# Altium PCB Enigma Rev B.PcbDoc (part 4 of 8)
Units mm, origin at the board's own origin, x right, y up, seen from the top; angles counter-clockwise.
Board outline 239.08 x 138 mm, 6 copper layers (Component Side, Ground Plane (GND), Inner Layer 1, Inner Layer 2, Power Plane (VCC), Solder Side), stack 1.297 mm thick; 556 components, 648 nets, 2393 pads, 1101 vias.
Unrouted connection lines stored in the file: 43.
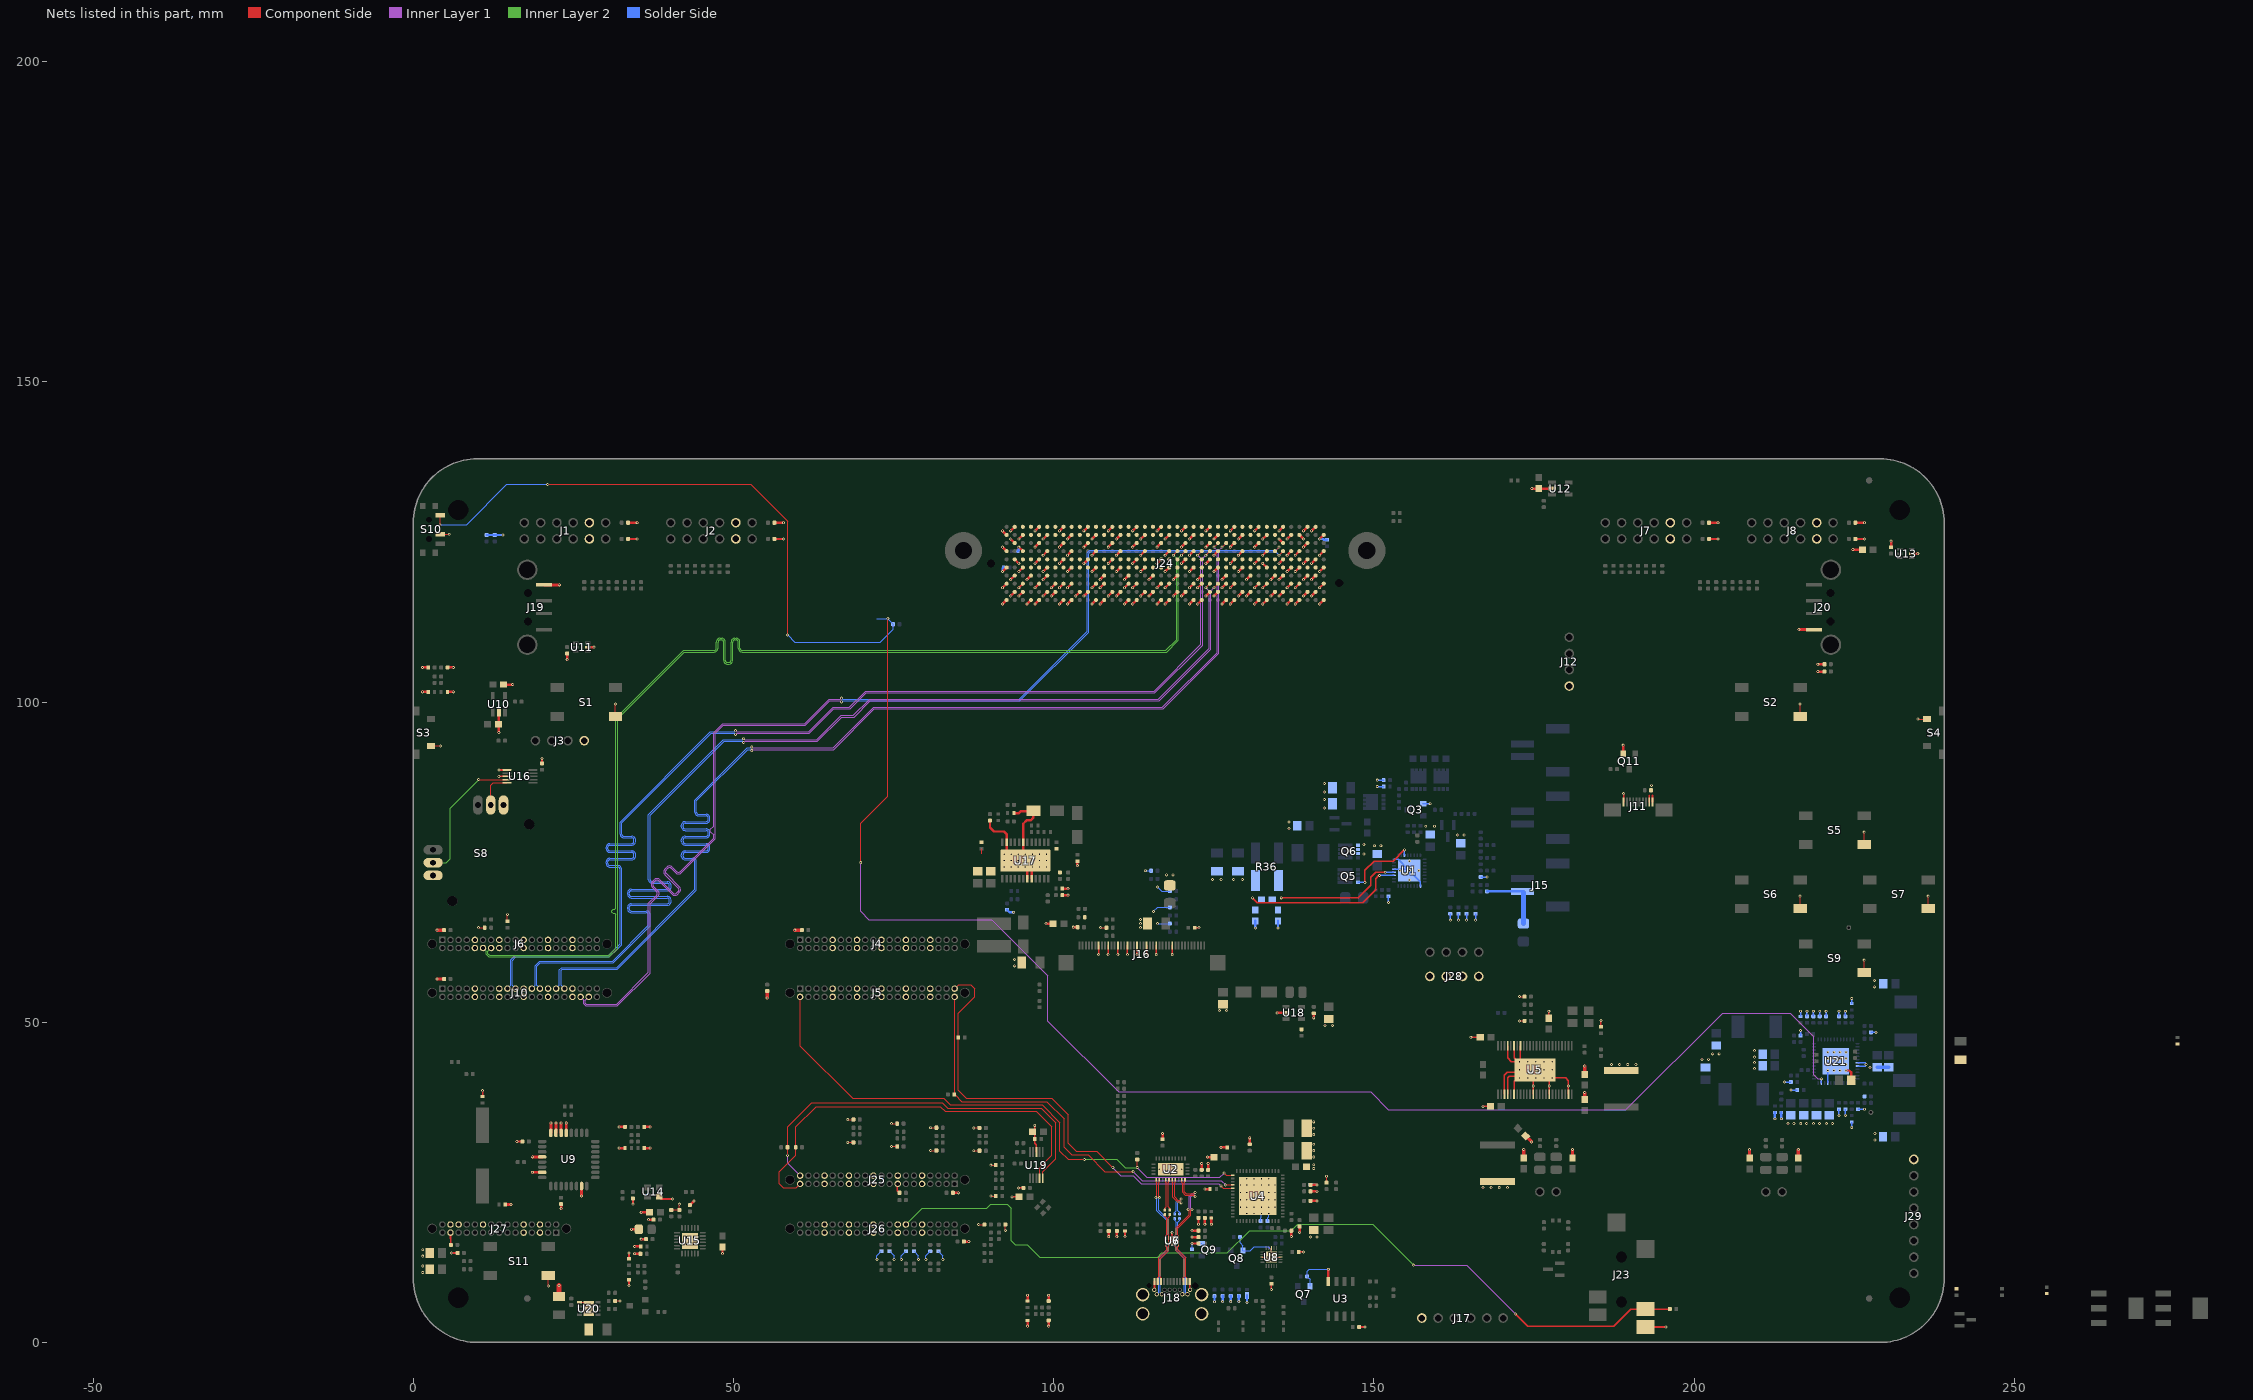
[diagram p8: the nets of this part, all layers, seen from the top]

## Via types
v1: diameter 0.457, hole 0.203, Component Side to Solder Side, tented top, 1031 vias
v2: diameter 0.5, hole 0.2, Component Side to Solder Side, 55 vias
v3: diameter 0.457, hole 0.203, Component Side to Solder Side, 9 vias
v4: diameter 0.5, hole 0.2, Component Side to Solder Side, tented both sides, 6 vias

## Nets (pads, with @x,y where several pads share a name; then routed paths per layer and width w, separated by ;. In a path a pad name is that pad's centre, name@x,y a point inside that pad or via, vN(x,y) a via of type N, cw(c..) or ccw(c..) an arc to the next point about the centre after c; other vN are vias at no path point) (continued)
GND: C1.1 C2.1 C3.1 C4.1 C5.1 C6.1 C7.1 C8.1 C9.1 C10.1 C11.1 C12.1 C13.1 C18.1 C19.1 C22.1 C23.1 C24.2 C26.1 C27.1 C28.1 C29.1 C30.1 C31.1 C32.1 C35.1 C36.2 C37.2 C40.2 C41.2 C42.1 C43.1 C44.1 C45.1 C46.1 C47.1 C48.1 C49.1 C50.1 C51.1 C52.1 C53.1 C54.1 C57.1 C62.1 C63.1 C64.1 C65.1 C66.1 C67.1 C68.1 C69.1 C70.1 C71.1 C72.1 C73.1 C74.1 C75.1 C76.1 C77.1 C78.1 C79.1 C80.1 C81.1 C82.1 C83.1 C84.1 C85.1 C86.1 C87.1 C89.1 C90.1 C93.1 C94.1 C99.1 C100.1 C101.1 C103.1 C104.1 C105.1 C106.1 C107.1 C108.1 C109.1 C110.1 C111.1 C112.1 C113.1 C114.1 C115.1 C116.1 C118.1 C119.1 C120.1 C121.1 C122.1 C124.2 C128.1 C129.1 C130.1 C131.1 C132.1 C133.1 C134.1 C135.1 C136.1 C137.1 C138.1 C139.1 C140.1 C141.1 C142.1 C143.1 C144.1 C146.1 C147.1 C148.1 C149.1 C150.1 C152.1 C153.1 C154.1 C155.1 C156.1 C158.1 C159.1 C160.1 C161.1 C162.1 C164.1 C165.1 C166.1 C167.1 C168.1 C169.1 C170.1 C171.1 C172.1 C173.1 C174.1 C180.1 C181.1 C182.1 C183.1 C184.1 C185.1 C186.1 C187.1 C188.1 C195.1 C196.1 C207.2 C209.1 C210.1 D4.2 D7.1 J1.5 J1.11 J2.5 J2.11 J3.1 J4.9 J4.10 J4.15 J4.16 J4.21 J4.22 J4.27 J4.28 J4.33 J4.34 J5.9 J5.10 J5.15 J5.16 J5.21 J5.22 J5.27 J5.28 J5.33 J5.34 J6.9 J6.10 J6.15 J6.16 J6.21 J6.22 J6.27 J6.28 J6.33 J6.34 J7.5 J7.11 J8.5 J8.11 J10.9 J10.10 J10.15 J10.16 J10.21 J10.22 J10.27 J10.28 J10.33 J10.34 J11.1 J11.9 J11.10 J12.1 J15.2 J16.7 J16.10 J16.13 J16.16 J16.19 J16.22 J16.25 J16.30 J17.1 J18.A1 J18.A12 J18.B1 J18.B12 J18.M1 J18.M2 J18.M3 J18.M4 J19.4 J20.4 J23.1 J24.A1 J24.A4 J24.A5 J24.A8 J24.A9 J24.A12 J24.A13 J24.A16 J24.A17 J24.A20 J24.A21 J24.A24 J24.A25 J24.A28 J24.A29 J24.A32 J24.A33 J24.A36 J24.A37 J24.A40 J24.B2 J24.B3 J24.B6 J24.B7 J24.B10 J24.B11 J24.B14 J24.B15 J24.B18 J24.B19 J24.B22 J24.B23 J24.B26 J24.B27 J24.B30 J24.B31 J24.B34 J24.B35 J24.B38 J24.B39 J24.C1 J24.C4 J24.C5 J24.C8 J24.C9 J24.C12 J24.C13 J24.C16 J24.C17 J24.C20 J24.C21 J24.C24 J24.C25 J24.C28 J24.C29 J24.C32 J24.C33 J24.C34 J24.C36 J24.C38 J24.C40 J24.D2 J24.D3 J24.D6 J24.D7 J24.D10 J24.D13 J24.D16 J24.D19 J24.D22 J24.D25 J24.D28 J24.D35 J24.D37 J24.D39 J24.E1 J24.E4 J24.E5 J24.E8 J24.E11 J24.E14 J24.E17 J24.E20 J24.E23 J24.E26 J24.E29 J24.E32 J24.E35 J24.E38 J24.E40 J24.F2 J24.F3 J24.F6 J24.F9 J24.F12 J24.F15 J24.F18 J24.F21 J24.F24 J24.F27 J24.F30 J24.F33 J24.F36 J24.F39 J24.G1 J24.G4 J24.G5 J24.G8 J24.G11 J24.G14 J24.G17 J24.G20 J24.G23 J24.G26 J24.G29 J24.G32 J24.G35 J24.G38 J24.G40 J24.H3 J24.H6 J24.H9 J24.H12 J24.H15 J24.H18 J24.H21 J24.H24 J24.H27 J24.H30 J24.H33 J24.H36 J24.H39 J24.J1 J24.J4 J24.J5 J24.J8 J24.J11 J24.J14 J24.J17 J24.J20 J24.J23 J24.J26 J24.J29 J24.J32 J24.J35 J24.J38 J24.J40 J24.K2 J24.K3 J24.K6 J24.K9 J24.K12 J24.K15 J24.K18 J24.K21 J24.K24 J24.K27 J24.K30 J24.K33 J24.K36 J24.K39 J25.9 J25.10 J25.15 J25.16 J25.21 J25.22 J25.27 J25.28 J25.33 J25.34 J26.9 J26.10 J26.15 J26.16 J26.21 J26.22 J26.27 J26.28 J26.33 J26.34 J27.5 J27.6 J27.9 J27.10 J27.20 J27.26 J27.27 J27.28 J28.1 J28.2 J28.3 J28.4 J29.8 Q3.1 Q6.1 Q6.2 Q6.3 Q7.2 Q8.2 Q9.2 Q11.2 R27.2 R33.2 R34.1 R38.2 R39.2 R40.2 R41.2 R42.2 R48.1 R49.1 R51.1 R52.1 R53.1 R55.1 R60.1 R61.2 R62.2 R63.1 R64.1 R69.1 R70.2 R71.2 R72.2 R73.2 R75.2 R77.2 R89.1 R90.1 R91.1 R92.1 R93.1 R94.1 R100.1 R109.2 R112.1 R114.2 R151.2 R152.2 R153.2 R156.2 R159.2 R167.2 R168.2 R169.2 R170.1 R171.1 R172.1 R173.1 R174.1 R184.2 R188.2 R189.2 R192.2 R196.2 R197.2 R200.2 R202.2 R204.1 R213.1 R214.2 R218.1 R222.2 R225.2 R237.2 R238.2 R239.2 R240.2 R241.2 R242.2 R243.2 R244.2 R245.2 R246.2 S1.4 S2.4 S3.2 S4.2 S5.4 S6.4 S7.4 S8.X- S8.Y- S9.4 S10.2 S11.4 U1.9 U1.21 U1.33 U2.29 U3.4 U4.57 U5.17 U5.19 U5.21 U5.27 U5.28 U5.30 U5.36 U5.41 U5.47 U5.EPAD U6.3 U6.8 U7.3 U7.8 U8.8 U8.13 U8.18 U8.21@133.985,13.335 U9.7 U9.21 U9.22 U9.23 U9.24 U9.28 U9.31 U10.2 U11.2 U12.2 U13.2 U14.2 U15.25 U16.1 U16.3 U17.7 U17.8 U17.19 U17.23 U17.25@95.56,75.255 U18.2 U19.8 U20.5 U20.9 U21.7 U21.8 U21.21 U21.49 | length 509.5
  Component Side w0.127: S3.2@2.765,93.15 v1(4.2,93.15) ; S10.2@4.153,126.213 v1(5.588,126.213) ; v1(10.16,64.77) R213.1@11.131,64.77 ; R214.2@14.671,65.77 v1(14.671,66.863) ; v1(21.06,8.799) S11.4@21.06,10.45 ; U20.5@25.908,6.268 U20.9@26.813,6.268 ; R184.2@31.488,6.477 v1(32.258,6.477) ; S1.4@31.55,97.75 v1(31.55,99.695) ; R112.1@40.259,20.685 R114.2@41.529,20.685 ; v1(67.818,31.242) R238.2@68.707,31.242 ; v1@67.945,34.798 R237.2@68.707,34.798 R237.2@68.723,34.798 ; v1(74.66,30.607) R240.2@75.549,30.607 ; v1(74.66,34.163) R239.2@75.549,34.163 ; v1(80.772,29.972) R242.2@81.661,29.972 ; v1(80.772,33.528) R241.2@81.661,33.528 ; v1(87.503,29.934) R244.2@88.392,29.934 ; v1(87.503,33.49) R243.2@88.392,33.49 ; v1(88.265,18.415) C12.1@89.17,18.415 ; 88.735,76.285 88.735,77.105 ; v1(90.17,22.86) R246.2@90.948,22.86 ; v1(90.17,27.686) R245.2@90.948,27.686 ; v1(92.44,17.51) C8.1@92.44,18.415 ; v1(107.315,64.77) R174.1@108.22,64.77 ; R222.2@142.6,24.95 v1(142.6,25.95) ; v1(172.72,50.2) R69.1@173.518,50.2 ; v1(172.72,54.01) R100.1@173.518,54.01 ; S6.4@216.55,67.75 v1(216.55,69.695) ; S2.4@216.55,97.75 v1(216.55,99.695) ; S9.4@226.55,57.75 v1(226.55,59.695) ; S5.4@226.55,77.75 v1(226.55,79.695) ; v1(234.941,97.35) S4.2@236.376,97.35 ; S7.4@236.55,67.75 v1(236.55,69.695) ; R114.2@41.529,20.685 v1(41.529,21.59) R114.2@41.529,20.685
  Component Side w0.152: U8.18@132.585,13.335 v3(133.385,13.335) v3(133.985,13.335) ; U8.13@133.985,14.735 v3(133.985,13.935) v3(133.985,13.335) ; U8.8@135.385,13.335 v3(134.585,13.335) v3(133.985,13.335)
  Component Side w0.203: v1(133.985,8.255) C67.1@133.985,9.16 ; C66.1@138.257,14.135 v1(138.989,14.135) ; v1(165.128,47.66) C99.1@166.603,47.66 ; v1(167.033,36.865) C100.1@168.183,36.865 ; U5.27@170.383,38.77 170.383,41.739 170.843,42.199 U5.EPAD@174.787,42.199 ; U5.28@170.883,38.77 170.883,41.35 171.097,41.564 U5.EPAD@174.152,41.564 ; U5.21@170.883,46.32 170.883,44.445 171.478,43.85 U5.EPAD@172.494,43.85 ; U5.30@171.883,38.77 171.883,40.763 U5.EPAD@172.176,41.056 ; U5.19@171.883,46.32 171.883,44.461 U5.EPAD@172.494,43.85 ; U5.17@172.883,46.32 U5.EPAD@172.883,43.85 ; U5.36@174.883,38.77 v1(174.883,40.04) U5.EPAD@174.883,41.056 ; U5.EPAD@175.133,42.545 173.828,43.85 U5.EPAD@172.883,43.85 ; C101.1@177.32,50.63 v1(177.32,51.724) ; U5.41@177.383,38.77 v1(177.383,40.04) U5.EPAD@177.383,41.056 ; U5.EPAD@177.891,41.31 179.923,41.31 180.383,40.85 v1(180.383,40.04) U5.47@180.383,38.77 ; R109.2@185.448,49.295 v1(185.448,50.27) ; U5.EPAD@172.494,43.85 v1(172.748,43.85) U5.EPAD@172.883,43.85
  Component Side w0.254: J27.27@5.781,17.145 5.781,16.195 5.85,16.125 C187.1@5.85,15.24 ; v1(5.969,13.97) C13.1@6.89,13.97 ; C79.1@10.795,38.414 v1(10.795,39.319) ; v1@13.343,88.4 U16.3@14.605,88.4 ; v1(13.343,89.4) U16.1@14.605,89.4 ; C28.1@20.066,90.424 v1(20.066,91.186) ; v1(33.655,8.89) C71.1@33.655,9.795 ; C70.1@33.655,13.065 v1(33.655,13.97) ; v1(34.282,21.59) C112.1@34.282,22.487 ; J25.15@75.631,24.765 75.565,24.699 75.565,23.704 R218.1@75.901,23.368 ; v1(93.472,22.733) C139.1@94.566,22.733 ; v1(94.488,24.13) C140.1@95.266,24.13 ; v1(97.028,33.909) 97.028,31.758 C141.1@97.036,31.75 97.036,31.107 97.282,30.861 U19.8@97.282,29.736 ; v1(107,60.555) J16.7@107,61.99 ; v1(108.5,60.555) J16.10@108.5,61.99 ; v1(110,60.555) J16.13@110,61.99 ; v1(111.5,60.555) J16.16@111.5,61.99 ; v1(113,60.555) J16.19@113,61.99 ; v1(114.5,60.555) J16.22@114.5,61.99 ; v1(116,60.555) J16.25@116,61.99 ; v1(118.5,60.555) J16.30@118.5,61.99 ; C207.2@122,64.77 v1(122.682,64.77) ; J11.1@189,84.39 v1(189,85.701) ; J11.9@193,84.39 193,85.447 ; J11.10@193.5,84.39 193.5,85.439
  Component Side w0.305: J18.B12@115.737,8.265 J18.A1@115.737,9.525 ; U7.3@118.491,15.438 U7.8@118.491,16.312 v1(118.491,17.145) ; J18.B1@121.237,8.265 J18.A12@121.237,9.525
  Component Side w0.381: v1(1.397,101.6) C74.1@2.302,101.6 ; v1(1.397,105.41) R91.1@2.302,105.41 ; C75.1@5.318,101.6 v1(6.223,101.6) ; R92.1@5.318,105.41 v1(6.223,105.41) ; v1(13.335,95.25) U10.2@13.335,98.385 ; C83.1@14.085,102.743 v1(15.494,102.743) ; v1(16.135,31.375) C80.1@17.026,31.375 ; v1(23.057,20.885) C81.1@23.057,21.606 ; v1(24.003,106.63) C84.1@24.003,107.585 ; U11.2@27.239,108.585 v1(28.194,108.585) ; v1(32.131,30.353) C72.1@33.036,30.353 ; v1(32.131,33.655) R89.1@33.036,33.655 ; C30.1@33.512,125.476 v1(34.925,125.476) ; C29.1@33.512,128.016 v1(34.925,128.016) ; v1(34.036,17.653) C111.1@35.195,17.653 ; v1(34.544,13.843) C115.1@35.441,13.843 ; v1(34.544,14.986) C116.1@35.433,14.986 ; v1(35.56,16.129) C110.1@36.33,16.129 ; v1(35.56,20.32) C109.1@36.869,20.32 ; C73.1@36.052,30.353 v1(36.957,30.353) ; R90.1@36.052,33.655 v1(36.957,33.655) ; v1(36.711,19.177) C108.1@37.481,19.177 ; U14.2@38.715,22.395 v1(40.452,22.395) ; C113.1@43.18,21.455 43.18,21.463 v1(43.815,22.098) ; v1(48.26,13.855) C114.1@48.26,14.937 ; C1.1@56.372,125.476 v1(57.785,125.476) ; C2.1@56.372,128.016 v1(57.785,128.016) ; C184.1@84.251,23.368 v1(85.09,23.368) ; C185.1@85.963,15.748 v1(86.741,15.748) ; R159.2@90.035,81.505 90.035,80.445 90.685,79.795 92.245,79.795 92.635,79.405 U17.23@92.635,78.105 U17.25@92.635,76.469 ; v1(91.996,115.316) J24.A40@92.631,115.951 ; v1(91.996,117.856) J24.C40@92.631,118.491 ; v1(91.996,120.396) J24.E40@92.631,121.031 ; v1(91.996,124.206) J24.G40@92.631,123.571 ; v1(91.996,126.746) J24.J40@92.631,126.111 ; v1(93.266,116.586) J24.B39@93.901,117.221 ; v1(93.266,119.126) J24.D39@93.901,119.761 ; v1(93.266,125.476) J24.H39@93.901,124.841 ; v1(93.266,126.746) J24.K39@93.901,127.381 ; C129.1@93.785,82.655 94.545,82.655 94.821,82.931 D7.1@96.825,82.931 ; J24.F39@93.901,122.301 v1(94.536,121.666) ; v1(94.536,116.586) J24.B38@95.171,117.221 ; v1(94.536,117.856) J24.C38@95.171,118.491 ; v1(94.536,120.396) J24.E38@95.171,121.031 ; v1(94.536,124.206) J24.G38@95.171,123.571 ; v1(94.536,125.476) J24.J38@95.171,126.111 ; U17.25@95.235,76.469 U17.19@95.235,78.105 95.235,81.011 95.758,81.534 96.393,81.534 96.774,81.915 96.774,82.55 D7.1@96.393,82.931 ; v1(95.806,115.316) J24.A37@96.441,115.951 ; v1(95.806,119.126) J24.D37@96.441,119.761 ; U17.7@95.885,72.405 U17.25@95.885,74.041 ; v1(95.903,2.54) C77.1@95.903,3.445 ; C76.1@95.903,6.461 v1(95.903,7.366) ; U17.8@96.535,72.405 U17.25@96.535,74.041 ; v1(97.076,115.316) J24.A36@97.711,115.951 ; v1(97.076,117.856) J24.C36@97.711,118.491 ; v1(97.076,121.666) J24.F36@97.711,122.301 ; v1(97.076,124.206) J24.H36@97.711,124.841 ; v1(97.076,126.746) J24.K36@97.711,127.381 ; v1(98.346,116.586) J24.B35@98.981,117.221 ; v1(98.346,119.126) J24.D35@98.981,119.761 ; v1(98.346,120.396) J24.E35@98.981,121.031 ; v1(98.346,122.936) J24.G35@98.981,123.571 ; v1(98.346,125.476) J24.J35@98.981,126.111 ; v1(98.791,65.405) C133.1@99.9,65.405 ; v1(99.205,2.54) R94.1@99.205,3.445 ; R93.1@99.205,6.461 v1(99.205,7.366) ; v1(99.616,116.586) J24.B34@100.251,117.221 ; v1(99.616,117.856) J24.C34@100.251,118.491 ; v1(100.886,115.316) J24.A33@101.521,115.951 ; v1(100.886,117.856) J24.C33@101.521,118.491 ; v1(100.886,121.666) J24.F33@101.521,122.301 ; v1(100.886,124.206) J24.H33@101.521,124.841 ; v1(100.886,126.746) J24.K33@101.521,127.381 ; R169.2@101.33,69.85 v1(102.235,69.85) ; C134.1@101.33,70.866 v1(102.235,70.866) ; v1(102.156,115.316) J24.A32@102.791,115.951 ; v1(102.156,117.856) J24.C32@102.791,118.491 ; v1(102.156,120.396) J24.E32@102.791,121.031 ; v1(102.156,122.936) J24.G32@102.791,123.571 ; v1(102.156,125.476) J24.J32@102.791,126.111 ; v1(103.035,64.845) C122.1@103.725,64.845 ; v1(103.426,116.586) J24.B31@104.061,117.221 ; v1(103.685,74.465) C128.1@103.685,75.155 ; v1(104.696,116.586) J24.B30@105.331,117.221 ; v1(104.696,121.666) J24.F30@105.331,122.301 ; v1(104.696,124.206) J24.H30@105.331,124.841 ; v1(104.696,126.746) J24.K30@105.331,127.381 ; v1(105.966,115.316) J24.A29@106.601,115.951 ; v1(105.966,117.856) J24.C29@106.601,118.491 ; v1(105.966,120.396) J24.E29@106.601,121.031 ; v1(105.966,122.936) J24.G29@106.601,123.571 ; v1(105.966,125.476) J24.J29@106.601,126.111 ; v1(107.236,115.316) J24.A28@107.871,115.951 ; v1(107.236,117.856) J24.C28@107.871,118.491 ; v1(107.236,119.126) J24.D28@107.871,119.761 ; v1(108.506,116.586) J24.B27@109.141,117.221 ; v1(108.506,121.666) J24.F27@109.141,122.301 ; v1(108.506,124.206) J24.H27@109.141,124.841 ; v1(108.506,126.746) J24.K27@109.141,127.381 ; v1(108.585,16.51) R225.2@108.585,17.415 ; v1(109.776,116.586) J24.B26@110.411,117.221 ; v1(109.776,120.396) J24.E26@110.411,121.031 ; v1(109.776,122.936) J24.G26@110.411,123.571 ; v1(109.776,125.476) J24.J26@110.411,126.111 ; v1(109.855,16.51) C196.1@109.855,17.415 ; v1(111.046,115.316) J24.A25@111.681,115.951 ; v1(111.046,117.856) J24.C25@111.681,118.491 ; v1(111.046,119.126) J24.D25@111.681,119.761 ; v1(111.125,16.51) C195.1@111.125,17.415 ; v1(112.316,115.316) J24.A24@112.951,115.951 ; v1(112.316,117.856) J24.C24@112.951,118.491 ; v1(112.316,121.666) J24.F24@112.951,122.301 ; v1(112.316,124.206) J24.H24@112.951,124.841 ; v1(112.316,126.746) J24.K24@112.951,127.381 ; v1(113.586,116.586) J24.B23@114.221,117.221 ; v1(113.586,120.396) J24.E23@114.221,121.031 ; v1(113.586,122.936) J24.G23@114.221,123.571 ; v1(113.586,125.476) J24.J23@114.221,126.111 ; v1(114.856,116.586) J24.B22@115.491,117.221 ; v1(114.856,119.126) J24.D22@115.491,119.761 ; v1(116.126,115.316) J24.A21@116.761,115.951 ; v1(116.126,117.856) J24.C21@116.761,118.491 ; v1(116.126,121.666) J24.F21@116.761,122.301 ; v1(116.126,124.206) J24.H21@116.761,124.841 ; v1(116.126,126.746) J24.K21@116.761,127.381 ; C42.1@116.987,31.734 v1(116.987,32.619) ; v1(117.396,115.316) J24.A20@118.031,115.951 ; v1(117.396,117.856) J24.C20@118.031,118.491 ; v1(117.396,120.396) J24.E20@118.031,121.031 ; v1(117.396,122.936) J24.G20@118.031,123.571 ; v1(117.396,125.476) J24.J20@118.031,126.111 ; v1(118.666,116.586) J24.B19@119.301,117.221 ; v1(118.666,119.126) J24.D19@119.301,119.761 ; v1(119.936,116.586) J24.B18@120.571,117.221 ; v1(119.936,121.666) J24.F18@120.571,122.301 ; v1(119.936,124.206) J24.H18@120.571,124.841 ; v1(119.936,126.746) J24.K18@120.571,127.381 ; v1(121.206,115.316) J24.A17@121.841,115.951 ; v1(121.206,117.856) J24.C17@121.841,118.491 ; v1(121.206,120.396) J24.E17@121.841,121.031 ; v1(121.206,122.936) J24.G17@121.841,123.571 ; v1(121.206,125.476) J24.J17@121.841,126.111 ; v1(121.6,15.45) C46.1@122.6,15.45 ; v1(121.6,16.45) R55.1@122.6,16.45 ; v1(121.6,17.45) C54.1@122.6,17.45 ; v1(122.476,115.316) J24.A16@123.111,115.951 ; v1(122.476,117.856) J24.C16@123.111,118.491 ; v1(122.476,119.126) J24.D16@123.111,119.761 ; v1(122.6,18.45) R60.1@122.6,19.45 ; R63.1@123.1,26.95 v1(123.1,27.95) ; v1(123.6,18.45) R48.1@123.6,19.45 ; v1@123.7,23.95 C51.1@124.4,23.95 ; v1(123.746,116.586) J24.B15@124.381,117.221 ; v1(123.746,121.666) J24.F15@124.381,122.301 ; v1(123.746,124.206) J24.H15@124.381,124.841 ; v1(123.746,126.746) J24.K15@124.381,127.381 ; v1(124,28.95) C52.1@125,28.95 ; R64.1@124.1,26.95 v1(124.1,27.95) ; v1(124.6,18.45) C57.1@124.6,19.45 ; v1(125.016,116.586) J24.B14@125.651,117.221 ; v1(125.016,120.396) J24.E14@125.651,121.031 ; v1(125.016,122.936) J24.G14@125.651,123.571 ; v1(125.016,125.476) J24.J14@125.651,126.111 ; v1(126.1,30.45) C53.1@127.1,30.45 ; v1(126.286,115.316) J24.A13@126.921,115.951 ; v1(126.286,117.856) J24.C13@126.921,118.491 ; v1(126.286,119.126) J24.D13@126.921,119.761 ; v1(127.556,115.316) J24.A12@128.191,115.951 ; v1(127.556,117.856) J24.C12@128.191,118.491 ; v1(127.556,121.666) J24.F12@128.191,122.301 ; v1(127.556,124.206) J24.H12@128.191,124.841 ; v1(127.556,126.746) J24.K12@128.191,127.381 ; v1(128.826,116.586) J24.B11@129.461,117.221 ; v1(128.826,120.396) J24.E11@129.461,121.031 ; v1(128.826,122.936) J24.G11@129.461,123.571 ; v1(128.826,125.476) J24.J11@129.461,126.111 ; v1(130.096,116.586) J24.B10@130.731,117.221 ; v1(130.096,119.126) J24.D10@130.731,119.761 ; R53.1@130.6,30.95 v1(130.6,31.95) ; v1(131.366,115.316) J24.A9@132.001,115.951 ; v1(131.366,117.856) J24.C9@132.001,118.491 ; v1(131.366,121.666) J24.F9@132.001,122.301 ; v1(131.366,124.206) J24.H9@132.001,124.841 ; v1(131.366,126.746) J24.K9@132.001,127.381 ; v1(132.636,115.316) J24.A8@133.271,115.951 ; v1(132.636,117.856) J24.C8@133.271,118.491 ; v1(132.636,121.666) J24.E8@133.271,121.031 ; v1(132.636,122.936) J24.G8@133.271,123.571 ; v1(132.636,125.476) J24.J8@133.271,126.111 ; v1(133.906,116.586) J24.B7@134.541,117.221 ; v1(133.906,119.126) J24.D7@134.541,119.761 ; v1(134.885,51.455) U18.2@136.285,51.455 ; v1(135.176,116.586) J24.B6@135.811,117.221 ; v1(135.176,119.126) J24.D6@135.811,119.761 ; v1(135.176,121.666) J24.F6@135.811,122.301 ; v1(135.176,125.476) J24.H6@135.811,124.841 ; v1(135.176,126.746) J24.K6@135.811,127.381 ; v1(136.446,115.316) J24.A5@137.081,115.951 ; v1(136.446,117.856) J24.C5@137.081,118.491 ; v1(136.446,120.396) J24.E5@137.081,121.031 ; v1(136.446,122.936) J24.G5@137.081,123.571 ; v1(136.446,125.476) J24.J5@137.081,126.111 ; v1(137.1,16.55) C44.1@137.1,17.45 ; v1(137.716,115.316) J24.A4@138.351,115.951 ; v1(137.716,117.856) J24.C4@138.351,118.491 ; v1(137.716,120.396) J24.E4@138.351,121.031 ; v1(137.716,122.936) J24.G4@138.351,123.571 ; J24.J4@138.351,126.111 v1(138.986,125.476) ; v1(138.4,17.2) C45.1@138.4,18.1 ; v1(138.986,116.586) J24.B3@139.621,117.221 ; v1(138.986,119.126) J24.D3@139.621,119.761 ; v1(138.986,121.666) J24.F3@139.621,122.301 ; v1(138.986,124.206) J24.H3@139.621,124.841 ; v1(138.986,126.746) J24.K3@139.621,127.381 ; R52.1@140.1,22.1 v1(141.1,22.1) ; R51.1@140.1,23.6 v1(141.1,23.6) ; R49.1@140.1,24.6 v1(141.1,24.6) ; v1(140.256,116.586) J24.B2@140.891,117.221 ; v1(140.256,119.126) J24.D2@140.891,119.761 ; v1(140.256,121.666) J24.F2@140.891,122.301 ; v1(140.256,126.746) J24.K2@140.891,127.381 ; v1(140.605,50.689) C131.1@140.605,51.405 ; v1(141.526,115.316) J24.A1@142.161,115.951 ; v1(141.526,117.856) J24.C1@142.161,118.491 ; v1(141.526,120.396) J24.E1@142.161,121.031 ; v1(141.526,122.936) J24.G1@142.161,123.571 ; v1(141.526,125.476) J24.J1@142.161,126.111 ; U3.4@142.875,9.525 v1(142.875,11.43) ; C43.1@147.685,2.413 v1(148.59,2.413) ; v1(174.665,133.35) C85.1@175.768,133.35 U12.2@177.8,133.35 ; Q11.2@188.915,91.935 v1(188.915,93.284) ; J23.1@192.405,2.413 v1(195.58,2.413) ; C32.1@202.329,125.476 v1(203.742,125.476) ; C31.1@202.329,128.016 v1(203.742,128.016) ; v1(219.329,104.775) R77.2@220.361,104.775 ; v1(219.329,105.918) C69.1@220.361,105.918 ; v1(223.72,42.469) 224.231,42.469 224.52,42.18 C171.1@224.52,40.919 ; v1(224.79,123.825) C86.1@226.265,123.825 ; C3.1@225.189,125.476 v1(226.602,125.476) ; C4.1@225.189,128.016 v1(226.602,128.016) ; C87.1@230.759,124.19 v1(230.759,125.145) ; U13.2@233.995,123.19 v1(234.95,123.19)